# KiCad board Backplane_v2.kicad_pcb (continued)
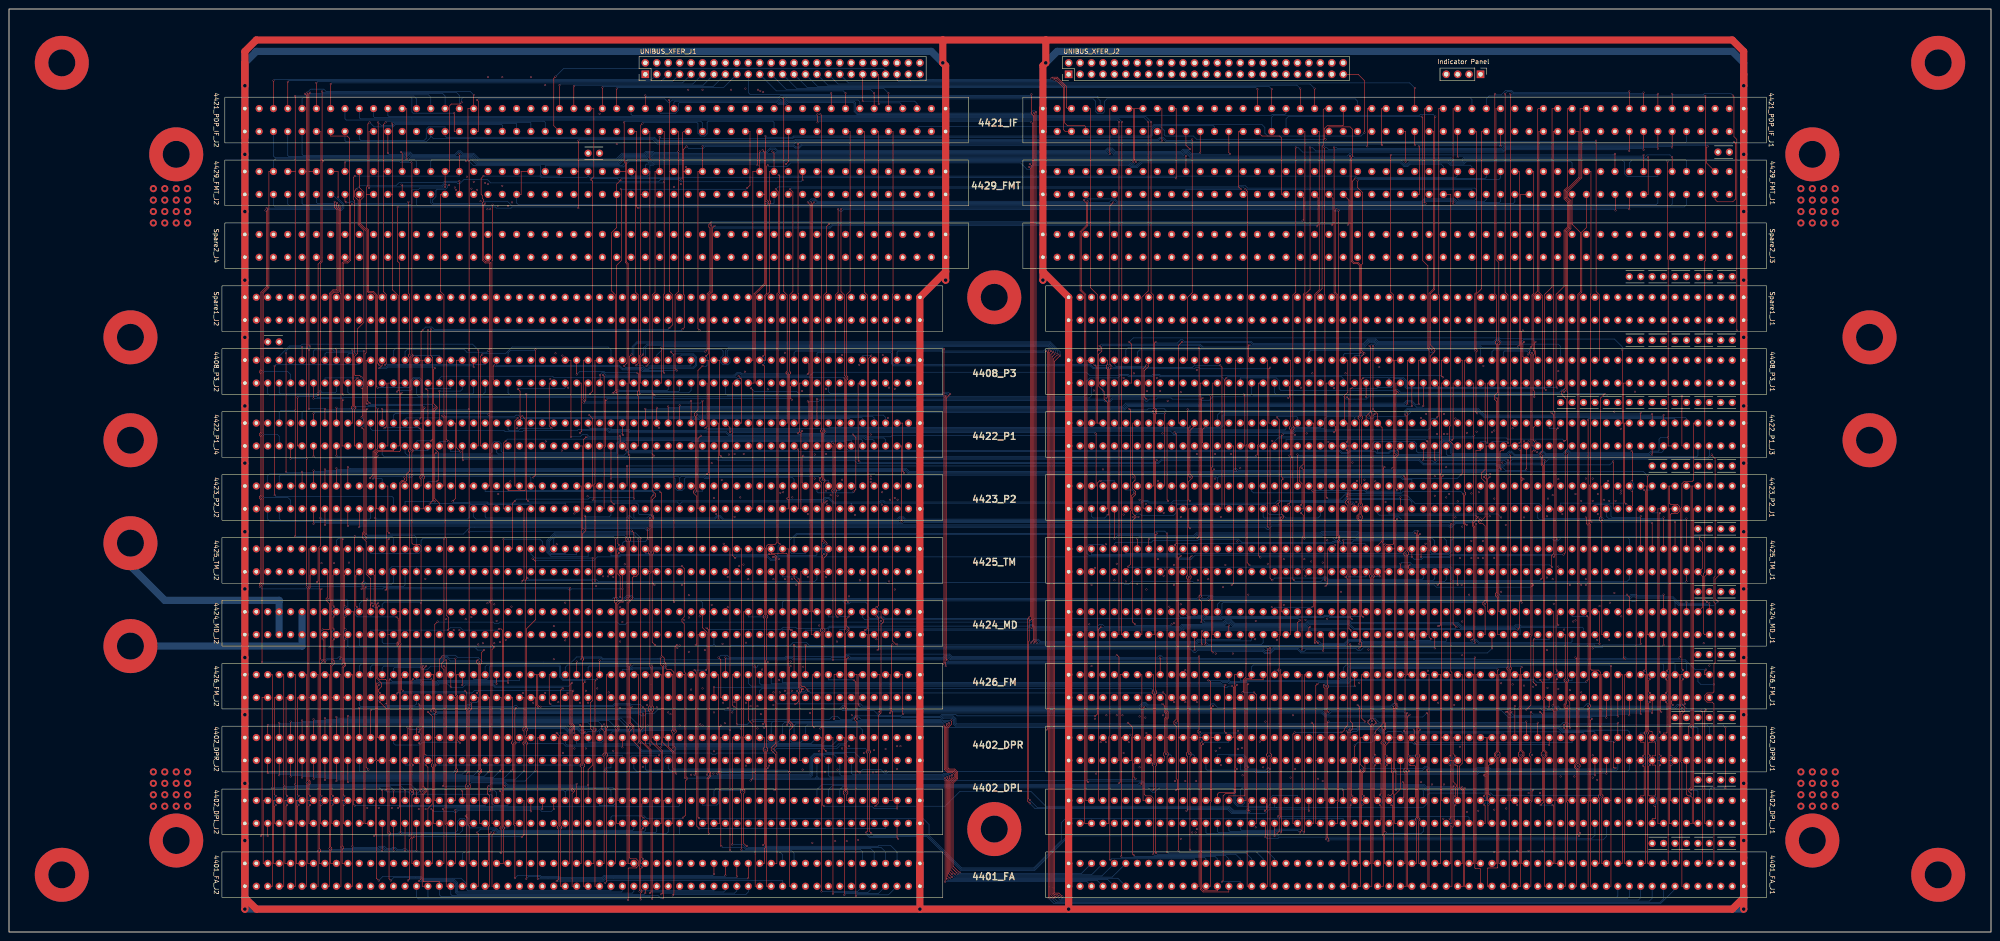
[diagram p0: board, top side]
## Routing (per net, layer and track width the routed paths; a pad name or vN(x,y) marks a point on that pad's centre or on a via; arc(x,y) is an arc through that point) (continued)
DPMBS10*: length 360
  F.SigTop w0.127: v2(180.12,181.61) 180.38,181.36 180.38,168.91 ; 116.88,113.03 116.88,101.47 v2(116.37,100.97) ; 116.88,113.03 4422_P1_J4.69 ; 116.88,113.03 v2(116.88,129.41) ; 180.38,85.09 180.38,99.82 180,100.2 v2(180,100.84) 180.12,100.84 180.38,101.09 180.38,110.87 180.12,111.12 180.12,111.38 180.38,111.63 180.38,168.91 ; 180.38,85.09 180.38,67.44 180.12,67.18 180.12,66.8 180.38,66.55 180.38,45.47 v2(180.12,45.21) ; 180.38,85.09 4425_TM_J2.17 ; 180.38,168.91 4429_FMT_J2.19
  B.Sig.Top w0.127: v2(180.12,181.61) 180.38,181.36 280.2,181.36 280.45,181.61 283.25,181.61 283.5,181.86 4421_PDP_IF_J1.65 ; 4423_P2_J2.43 148.88,100.84 ; v2(180,100.84) 179.61,101.22 155.61,101.22 155.36,100.97 154.6,100.97 154.34,101.22 149.26,101.22 148.88,100.84 ; v2(116.37,100.97) 116.62,101.22 148.5,101.22 148.88,100.84 ; 4408_P3_J2.73 110.78,128.65 111.29,129.16 116.62,129.16 v2(116.88,129.41) ; 4402_DPR_J2.11 189.52,44.83 188.88,45.47 180.38,45.47 v2(180.12,45.21)
DPMBS11*: length 296.9
  F.SigTop w0.127: 4422_P1_J4.70 114.84,107.95 ; 114.84,107.95 114.84,96.14 v2(115.23,95.76) ; 114.84,107.95 v2(114.84,119.51) ; v2(176.19,167) 4429_FMT_J2.21 ; v2(181.39,40.13) 180.88,40.64 180.88,66.55 181.14,66.8 181.14,67.18 180.88,67.44 180.88,80.01 ; 180.88,80.01 4425_TM_J2.18 ; 180.88,80.01 180.88,83.06 181.52,83.69 v2(181.52,83.95) ; v2(181.52,95.76) 180.88,95.12 180.88,87.12 181.52,86.49 v2(181.52,86.23) ; 4421_PDP_IF_J2.51 129.83,182.88 129.83,167.77 v2(129.19,167.13) 129.58,166.75 129.58,120.14 v2(128.94,119.51)
  B.Sig.Top w0.127: v2(181.39,40.13) 181.65,39.88 187.74,39.88 4402_DPR_J2.12 ; v2(129.19,167.13) 129.45,167.39 135.04,167.39 135.8,166.62 144.18,166.62 144.69,167.13 148.63,167.13 149.13,166.62 175.8,166.62 v2(176.19,167) ; v2(115.23,95.76) 115.48,95.5 148.37,95.5 148.88,95 ; 4408_P3_J2.74 110.78,119.76 111.29,119.25 114.59,119.25 ; 148.88,95 4423_P2_J2.44 ; 148.88,95 149.39,95.5 181.26,95.5 v2(181.52,95.76) ; 114.59,119.25 v2(114.84,119.51) 115.1,119.25 ; 114.59,119.25 115.1,119.25 ; v2(181.52,86.23) 181.39,86.23 180.88,85.73 180.88,84.65 181.52,84.01 v2(181.52,83.95) ; 115.1,119.25 128.69,119.25 v2(128.94,119.51)
DPMBS12*: length 475
  F.SigTop w0.127: 91.73,113.03 4422_P1_J4.89 ; 91.73,113.03 v2(91.73,100.97) ; 91.73,113.03 91.73,127 4408_P3_J2.87 v2(93,133.73) ; v2(136.18,41.02) 4402_DPR_J2.53 ; 116.88,82.3 116.88,69.34 114.84,67.31 114.84,45.47 115.1,45.21 115.1,44.83 114.84,44.58 114.84,43.69 114.59,43.43 v2(114.59,41.91) ; 116.88,82.3 v2(116.24,82.93) ; 116.88,82.3 116.88,99.06 4423_P2_J2.69 ; v2(304.84,174.75) 304.71,174.88 304.71,182.88 4421_PDP_IF_J1.51 ; v2(153.96,174.5) 4429_FMT_J2.35 152.94,168.91 152.94,133.99 v2(153.32,133.6)
  B.Sig.Top w0.127: v2(91.73,100.97) 91.98,101.22 115.61,101.22 115.86,100.97 4423_P2_J2.69 ; v2(93,133.73) 93.38,133.35 153.07,133.35 v2(153.32,133.6) ; v2(304.84,174.75) 304.58,175.01 175.93,175.01 175.3,174.37 174.66,174.37 174.28,174.75 154.21,174.75 v2(153.96,174.5) ; v2(116.24,82.93) 116.62,82.55 129.83,82.55 130.59,83.31 135.55,83.31 135.8,83.57 168.44,83.57 169.2,82.8 169.96,82.8 170.72,83.57 179.11,83.57 179.36,83.82 4425_TM_J2.19 ; v2(114.59,41.91) 122.97,41.91 123.61,41.27 135.93,41.27 v2(136.18,41.02)
DPMBS13*: length 476.6
  F.SigTop w0.127: v2(150.4,174.5) 149.77,173.86 149.77,168.91 ; 94.02,121.92 94.02,109.47 ; 94.02,121.92 94.02,127.63 93.63,128.02 v2(93.63,133.86) ; 94.02,121.92 4408_P3_J2.88 ; 94.02,109.47 v2(93.63,109.09) ; 94.02,109.47 94.02,95.76 v2(93.38,95.12) ; 114.84,78.36 114.84,78.87 ; 114.84,78.36 v2(115.1,78.61) 114.84,78.87 ; 114.84,78.36 114.59,78.11 v2(114.59,44.96) ; 114.84,78.87 114.84,93.98 4423_P2_J2.70 ; 149.77,168.91 149.77,141.61 149.9,141.48 149.9,134.24 v2(149.51,133.86) ; 149.77,168.91 4429_FMT_J2.37 ; v2(132.37,45.59) v2(132.37,39.24) ; 4421_PDP_IF_J1.53 301.53,182.88 v2(301.53,174.5)
  B.Sig.Top w0.127: 4423_P2_J2.70 115.86,95 106.33,95 106.08,95.25 102.4,95.25 102.27,95.12 v2(93.38,95.12) ; v2(93.63,133.86) 93.89,133.6 149.26,133.6 v2(149.51,133.86) ; v2(132.37,39.24) 136.18,39.24 4402_DPR_J2.54 ; v2(301.53,174.5) 301.28,174.75 176.06,174.75 175.42,174.12 174.53,174.12 174.15,174.5 154.6,174.5 154.09,173.99 150.91,173.99 v2(150.4,174.5) ; v2(132.37,45.59) 132.37,45.34 132.24,45.21 131.35,45.21 130.59,44.45 130.21,44.45 130.08,44.58 128.56,44.58 128.04,44.06 127.05,44.06 126.15,44.96 125.38,44.96 124.88,44.45 123.99,44.45 123.23,45.21 114.84,45.21 v2(114.59,44.96) ; v2(93.63,109.09) 90.59,109.09 90.46,108.97 4422_P1_J4.90 ; 4425_TM_J2.20 179.36,78.36 178.85,77.85 130.85,77.85 130.34,78.36 115.35,78.36 v2(115.1,78.61)
DPMBS14*: length 435.3
  F.SigTop w0.127: 146.59,168.91 4429_FMT_J2.39 ; 146.59,168.91 146.59,184.66 v2(146.47,184.78) ; 146.59,168.91 146.59,142.24 147.36,141.48 147.36,134.87 v2(146.59,134.11) ; 4423_P2_J2.71 112.3,99.06 112.3,113.54 v2(112.94,114.17) ; 91.48,127 4408_P3_J2.89 ; 91.48,127 91.48,114.3 v2(91.22,114.05) ; 91.48,127 91.48,133.35 v2(91.86,133.73) ; v2(144.56,97.79) 144.82,97.54 144.82,85.09 ; v2(147.61,44.58) 147.61,57.66 146.98,58.29 146.09,58.29 145.83,58.55 145.83,59.69 145.45,60.07 145.45,60.83 144.82,61.47 144.82,85.09 ; 144.82,85.09 4425_TM_J2.47
  B.Sig.Top w0.127: 4421_PDP_IF_J1.55 299.38,184.53 298.87,185.04 243.75,185.04 243.24,184.53 243.24,182.25 242.86,181.86 241.59,181.86 241.21,182.25 241.21,184.53 240.7,185.04 172.63,185.04 172.12,184.53 171.23,184.53 170.72,185.04 146.72,185.04 v2(146.47,184.78) ; v2(112.94,114.17) 91.35,114.17 v2(91.22,114.05) 91.09,114.17 88.17,114.17 87.92,113.92 4422_P1_J4.91 ; v2(91.86,133.73) 92.49,134.37 93.89,134.37 94.4,133.86 146.34,133.86 v2(146.59,134.11) ; 4423_P2_J2.71 113.32,98.3 113.57,98.04 144.31,98.04 v2(144.56,97.79) ; 4402_DPR_J2.55 133.64,44.2 133.89,44.45 140.62,44.45 141.01,44.83 147.36,44.83 v2(147.61,44.58)
DPMBS15*: length 495.1
  F.SigTop w0.127: v2(113.83,77.85) 114.34,78.36 114.34,93.98 4423_P2_J2.72 ; 142.78,119.76 142.78,106.17 ; 142.78,119.76 v2(143.29,119.25) ; 142.78,119.76 142.78,141.48 143.42,142.11 143.42,168.91 4429_FMT_J2.41 v2(144.44,176.53) ; 142.78,106.17 v2(143.17,105.79) ; 142.78,106.17 142.78,98.04 143.55,97.28 143.55,96.77 142.78,96.01 142.78,92.71 143.04,92.46 143.04,91.69 142.78,91.44 142.78,84.71 143.04,84.46 143.04,84.07 142.78,83.82 142.78,80.01 ; 142.78,80.01 4425_TM_J2.48 ; 142.78,80.01 142.78,77.6 ; v2(148.12,35.18) 147.86,35.43 147.86,41.02 147.61,41.27 147.61,43.94 148.12,44.45 148.12,44.7 147.86,44.96 147.86,63.37 v2(148.25,63.75) ; 4421_PDP_IF_J1.57 296.2,179.2 296.07,179.07 292.64,179.07 292.01,178.44 292.01,176.28 v2(292.26,176.02) ; 142.78,77.6 142.78,64.39 v2(143.42,63.75) ; 142.78,77.6 v2(143.29,77.09)
  B.Sig.Top w0.127: v2(113.83,77.85) 114.08,78.11 129.19,78.11 129.96,77.34 143.04,77.34 v2(143.29,77.09) ; v2(143.42,63.75) 143.67,63.5 147.99,63.5 v2(148.25,63.75) ; v2(144.44,176.53) 144.69,176.28 174.03,176.28 174.28,176.53 253.4,176.53 253.78,176.91 253.78,178.18 254.42,178.82 255.69,178.82 256.45,178.05 256.45,177.04 256.7,176.78 262.93,176.78 263.69,176.02 v2(292.26,176.02) ; 4408_P3_J2.90 90.46,119.38 90.84,119 143.04,119 v2(143.29,119.25) ; 4402_DPR_J2.56 133.64,36.58 133.51,36.45 132.5,36.45 132.12,36.07 132.12,35.69 132.37,35.43 147.86,35.43 v2(148.12,35.18) ; v2(143.17,105.79) 142.53,106.43 137.07,106.43 136.56,105.92 88.43,105.92 87.92,106.43 4422_P1_J4.92
DPMBS16*: length 446.1
  F.SigTop w0.127: v2(142.53,49.91) 142.53,58.67 142.28,58.93 142.28,79.63 142.53,79.88 v2(142.53,84.33) 142.53,91.57 142.78,91.82 142.78,92.33 142.53,92.58 142.53,96.52 v2(143.04,97.03) ; 4423_P2_J2.77 106.72,99.06 106.72,114.68 v2(106.46,114.94) 106.72,115.19 106.72,128.9 v2(106.46,129.16) 106.72,129.41 106.72,148.46 106.59,148.59 105.7,148.59 105.06,149.22 105.06,161.93 105.32,162.18 105.32,162.69 105.06,162.94 105.06,163.58 104.81,163.83 104.81,167.39 v2(105.32,167.89) ; 4402_DPR_J2.97 v2(80.3,49.28) ; 4421_PDP_IF_J1.81 259.12,182.88 v2(259.12,167.39)
  B.Sig.Top w0.127: v2(259.12,167.39) 258.86,167.64 128.81,167.64 128.56,167.89 ; 4423_P2_J2.77 105.7,97.79 142.78,97.79 143.04,97.54 v2(143.04,97.03) ; v2(105.32,167.89) 117.89,167.89 118.15,167.64 128.31,167.64 128.56,167.89 ; 128.56,167.89 4429_FMT_J2.51 ; 4422_P1_J4.93 85.38,114.81 85.76,115.19 106.21,115.19 v2(106.46,114.94) ; v2(106.46,129.16) 106.08,128.78 101.64,128.78 101,129.41 88.43,129.41 87.92,128.9 4408_P3_J2.91 ; v2(142.53,84.33) 142.28,84.07 141.26,84.07 4425_TM_J2.49 ; v2(142.53,49.91) 141.89,49.28 101.89,49.28 101.64,49.53 80.55,49.53 v2(80.3,49.28)
DPMBS17*: length 406
  F.SigTop w0.127: v2(126.4,160.78) 126.4,168.91 ; 126.4,168.91 4429_FMT_J2.53 ; 126.4,168.91 v2(126.4,175.77) ; v2(86.27,161.04) 86.27,148.97 86.65,148.59 86.65,121.92 ; 4402_DPR_J2.98 81.32,38.1 v2(81.32,91.95) 81.32,106.43 81.82,106.93 85.38,106.93 4422_P1_J4.94 86.65,107.95 86.65,121.92 ; 4425_TM_J2.50 142.28,80.01 142.28,83.82 142.02,84.07 142.02,84.46 142.28,84.71 v2(142.28,91.95) ; 86.65,121.92 4408_P3_J2.92 ; v2(255.94,175.77) 255.94,182.88 4421_PDP_IF_J1.83
  B.Sig.Top w0.127: v2(255.94,175.77) 255.69,175.51 174.79,175.51 174.28,175.01 143.93,175.01 142.91,176.02 126.65,176.02 v2(126.4,175.77) ; v2(142.28,91.95) 142.02,91.69 138.59,91.69 137.83,92.46 137.58,92.46 137.07,91.95 105.95,91.95 105.7,92.2 4423_P2_J2.78 105.7,95 102.52,95 102.14,94.62 102.14,92.08 101.76,91.69 81.57,91.69 v2(81.32,91.95) ; v2(126.4,160.78) 126.15,161.04 111.67,161.04 111.42,160.78 108.24,160.78 107.99,161.04 v2(86.27,161.04)
DPMBS18*: length 403.6
  F.SigTop w0.127: v2(138.21,89.15) 138.72,88.65 4425_TM_J2.51 ; 4421_PDP_IF_J1.85 249.85,182.88 249.85,171.45 v2(250.23,171.07) ; v2(102.14,171.2) v2(102.14,129.29) v2(102.14,116.2) 102.14,99.06 ; v2(102.14,49.78) v2(102.14,88.9) 102.14,99.06 ; 102.14,99.06 4423_P2_J2.79 ; 4422_P1_J4.95 v2(82.84,116.2) ; 4402_DPR_J2.99 v2(77.76,49.78)
  B.Sig.Top w0.127: v2(82.84,116.2) 83.09,115.95 101.89,115.95 v2(102.14,116.2) ; 4408_P3_J2.93 85.38,129.16 85.89,129.67 101.76,129.67 v2(102.14,129.29) ; v2(138.21,89.15) 137.96,88.9 v2(102.14,88.9) ; v2(102.14,171.2) 103.16,170.18 118.02,170.18 118.02,168.15 118.27,167.89 122.21,167.89 4429_FMT_J2.55 122.21,169.93 136.43,169.93 137.7,171.2 141.64,171.2 142.02,170.81 142.78,170.81 143.04,171.07 248.96,171.07 249.46,170.56 249.72,170.56 v2(250.23,171.07) ; v2(77.76,49.78) v2(102.14,49.78)
DPMBS19*: length 456.1
  F.SigTop w0.127: 137.7,80.01 137.7,74.55 v2(137.96,74.29) ; 137.7,80.01 4425_TM_J2.52 ; 137.7,80.01 137.7,86.74 137.96,87 137.96,87.5 137.7,87.76 v2(137.7,91.95) v2(137.7,105.92) 137.45,106.17 137.45,148.46 137.07,148.84 v2(137.07,171.2) ; v2(79.54,74.04) 79.54,73.91 79.28,73.66 79.28,36.58 v2(79.79,36.07) ; v2(249.59,171.07) 249.59,182.88 4421_PDP_IF_J1.87 ; 4408_P3_J2.94 84.11,121.92 84.11,107.95 4422_P1_J4.96
  B.Sig.Top w0.127: 4402_DPR_J2.100 77.76,35.81 78.01,35.56 79.28,35.56 v2(79.79,36.07) ; 4422_P1_J4.96 82.84,106.04 83.22,105.66 137.32,105.66 137.58,105.92 v2(137.7,105.92) ; v2(79.54,74.04) 79.66,73.91 133.89,73.91 134.27,74.29 135.04,74.29 135.42,73.91 136.69,73.91 137.07,74.29 v2(137.96,74.29) ; v2(249.59,171.07) 249.34,171.32 142.91,171.32 142.66,171.07 142.15,171.07 141.77,171.45 137.32,171.45 v2(137.07,171.2) 136.05,170.18 119.04,170.18 119.04,168.91 ; v2(137.7,91.95) 137.45,91.69 103.67,91.69 103.16,92.2 4423_P2_J2.80
DPMBS20*: length 412.3
  F.SigTop w0.127: v2(136.31,73.41) 136.18,73.28 135.67,73.28 135.16,72.77 135.16,45.97 135.42,45.72 135.42,44.96 135.16,44.7 135.16,29.21 4402_DPL_J2.53 ; v2(76.49,116.46) 76.49,128.27 v2(76.74,128.52) 76.74,162.43 76.49,162.69 76.49,167.64 v2(76.74,167.89) ; v2(244.38,172.85) 244.38,182.88 4421_PDP_IF_J1.89 ; v2(80.81,100.71) 81.06,100.97 81.06,106.55 81.82,107.31 v2(81.82,116.2) ; 4423_P2_J2.95 84.11,99.06 84.11,88.9 v2(84.36,88.65) ; 4429_FMT_J2.69 v2(99.99,172.72) ; v2(141.77,89.66) v2(141.77,87.25) ; 4425_TM_J2.53 134.91,85.09 v2(134.91,73.79) ; 4422_P1_J4.103 v2(72.68,116.46)
  B.Sig.Top w0.127: v2(134.91,73.79) 135.04,73.79 135.42,73.41 v2(136.31,73.41) ; v2(72.68,116.46) 72.93,116.2 76.24,116.2 v2(76.49,116.46) 76.74,116.71 81.32,116.71 v2(81.82,116.2) ; 4408_P3_J2.101 75.22,128.27 75.47,128.52 v2(76.74,128.52) ; v2(80.81,100.71) 82.71,100.71 82.84,100.58 4423_P2_J2.95 ; v2(141.77,87.25) 141.26,86.74 136.56,86.74 136.18,86.36 4425_TM_J2.53 ; v2(84.36,88.65) 84.62,88.39 100.87,88.39 102.4,89.92 141.51,89.92 v2(141.77,89.66) ; v2(76.74,167.89) 99.99,167.89 4429_FMT_J2.69 ; v2(99.99,172.72) 100.24,172.47 102.91,172.47 104.18,171.2 135.04,171.2 136.31,172.47 141.26,172.47 141.64,172.85 142.78,172.85 143.04,172.59 244.13,172.59 v2(244.38,172.85)
DPMBS21*: length 421.6
  F.SigTop w0.127: v2(96.81,165.48) 4429_FMT_J2.71 97.83,168.91 97.83,183.51 98.21,183.9 100.11,183.9 v2(100.49,184.28) ; 4402_DPL_J2.54 134.91,24.13 134.91,44.96 135.16,45.21 135.16,45.59 134.91,45.85 134.91,73.15 135.35,73.6 135.86,73.6 136.18,73.91 v2(136.18,76.2) 4425_TM_J2.54 ; 4408_P3_J2.102 74.2,121.92 74.2,148.46 74.33,148.59 75.22,148.59 75.85,149.22 75.85,161.42 v2(76.11,161.67) ; v2(83.6,75.95) 83.86,76.2 83.86,93.98 4423_P2_J2.96 81.57,93.98 81.57,105.54 v2(81.82,105.79) 81.57,106.04 81.57,106.3 81.95,106.68 86.65,106.68 86.9,106.93 86.9,119.51 v2(87.16,119.76) ; 4422_P1_J4.104 v2(72.68,105.79)
  B.Sig.Top w0.127: 4421_PDP_IF_J1.91 242.23,184.66 241.59,185.29 172.5,185.29 171.99,184.78 171.36,184.78 170.85,185.29 100.75,185.29 100.49,185.04 v2(100.49,184.28) ; v2(72.68,105.79) 72.93,105.54 81.57,105.54 v2(81.82,105.79) ; v2(87.16,119.76) 86.9,119.51 75.6,119.51 75.22,119.89 4408_P3_J2.102 ; v2(83.6,75.95) 83.86,76.2 124.12,76.2 124.37,75.95 124.62,75.95 124.88,76.2 v2(136.18,76.2) ; v2(76.11,161.67) 76.24,161.54 89.19,161.54 89.44,161.8 89.44,164.72 89.57,164.85 90.84,164.85 91.22,165.23 96.56,165.23 v2(96.81,165.48)
DPMBS22*: length 305.2
  F.SigTop w0.127: 4425_TM_J2.89 89.19,85.09 89.19,31.37 v2(89.44,31.12) ; v2(101.51,171.2) 101.89,171.58 101.89,182.88 4421_PDP_IF_J2.67 v2(103.16,185.93) ; v2(66.58,116.2) v2(66.58,129.29) 66.33,129.54 66.33,186.31 v2(66.2,186.44) ; 4408_P3_J2.103 v2(72.68,129.54) ; 79.28,99.06 79.28,115.95 v2(79.54,116.2) ; 79.28,99.06 v2(79.28,88.39) ; 79.28,99.06 4423_P2_J2.97 ; 4422_P1_J4.105 v2(70.14,116.2)
  B.Sig.Top w0.127: v2(66.2,186.44) 66.97,187.2 69.89,187.2 70.39,186.69 102.4,186.69 v2(103.16,185.93) ; v2(66.58,116.2) v2(70.14,116.2) 70.39,115.95 79.28,115.95 v2(79.54,116.2) ; v2(66.58,129.29) 66.84,129.54 v2(72.68,129.54) ; v2(79.28,88.39) 79.54,88.14 89.95,88.14 90.46,87.63 4425_TM_J2.89 ; v2(101.51,171.2) 101.25,171.45 93.89,171.45 93.63,171.2 4429_FMT_J2.73 ; 4402_DPL_J2.55 133.64,31.37 133.13,31.88 91.73,31.88 90.71,30.86 89.7,30.86 v2(89.44,31.12)
DPMBS23*: length 347.6
  F.SigTop w0.127: v2(68.36,77.72) 68.62,77.98 68.62,85.22 69.12,85.73 v2(69.12,91.95) 69.12,107.95 ; 4422_P1_J4.106 69.12,107.95 ; 69.12,107.95 v2(69.12,120.14) 69.12,148.46 69.5,148.84 69.5,170.94 v2(69.76,171.2) 69.5,171.45 v2(69.5,186.69) ; v2(149.64,25.4) 150.15,25.91 150.15,33.53 150.53,33.91 150.53,34.29 150.28,34.54 150.28,57.4 149.9,57.78 149.9,68.45 149.39,68.96 149.39,69.47 149.9,69.98 149.9,80.77 v2(149.39,81.28)
  B.Sig.Top w0.127: v2(69.12,91.95) 69.38,91.69 80.05,91.69 80.3,91.95 4423_P2_J2.98 ; 4408_P3_J2.104 72.68,120.01 72.43,119.76 69.5,119.76 v2(69.12,120.14) ; 90.46,81.15 85,81.15 84.36,80.52 84.36,77.72 84.11,77.47 79.28,77.47 79.03,77.72 78.65,77.72 78.4,77.47 68.62,77.47 v2(68.36,77.72) ; 90.46,81.15 149.26,81.15 v2(149.39,81.28) ; 90.46,81.15 4425_TM_J2.90 ; v2(69.5,186.69) 69.76,186.44 99.35,186.44 99.99,185.8 4421_PDP_IF_J2.69 ; 4402_DPL_J2.56 133.64,25.53 133.89,25.78 141.01,25.78 141.64,25.15 149.39,25.15 v2(149.64,25.4) ; 4429_FMT_J2.75 90.46,171.07 90.08,171.45 88.94,171.45 88.68,171.2 87.16,171.2 86.9,171.45 70.01,171.45 v2(69.76,171.2)
DPMBS24*: length 257.1
  F.SigTop w0.127: 66.58,168.91 4429_FMT_J2.89 ; 66.58,168.91 66.58,130.3 v2(66.84,130.05) ; 66.58,168.91 66.58,186.18 v2(66.84,186.44) ; v2(88.94,101.73) 88.94,85.09 ; 88.94,85.09 4425_TM_J2.91 ; 88.94,85.09 v2(88.94,21.34) ; v2(81.06,21.34) 81.32,21.59 81.32,29.21 4402_DPL_J2.97 ; v2(65.06,129.92) 4408_P3_J2.109 ; v2(61.5,128.52) 61.5,113.03 ; 61.5,113.03 4422_P1_J4.111 ; 61.5,113.03 v2(61.5,102.24) ; v2(65.06,102.24) 4423_P2_J2.109
  B.Sig.Top w0.127: v2(61.5,102.24) 61.76,101.98 64.81,101.98 v2(65.06,102.24) 65.31,101.98 88.68,101.98 v2(88.94,101.73) ; v2(61.5,128.52) 61.5,129.03 62.39,129.92 v2(65.06,129.92) 66.71,129.92 v2(66.84,130.05) ; v2(88.94,21.34) v2(81.06,21.34) ; v2(66.84,186.44) 67.09,186.18 96.3,186.18 96.81,185.67 4421_PDP_IF_J2.71
DPMBS25*: length 228.7
  F.SigTop w0.127: 66.08,93.98 4423_P2_J2.110 ; 66.08,93.98 v2(66.08,76.71) ; 66.08,93.98 v2(66.08,105.16) 66.08,121.92 ; v2(79.28,76.71) 79.03,76.45 79.03,24.13 4402_DPL_J2.98 ; 66.08,168.91 4429_FMT_J2.91 ; 66.08,168.91 66.08,121.92 ; 66.08,168.91 66.08,185.8 v2(65.69,186.18) ; 66.08,121.92 4408_P3_J2.110 ; v2(62.52,105.16) 4422_P1_J4.112
  B.Sig.Top w0.127: v2(65.69,186.18) 65.95,185.93 93.13,185.93 93.63,185.42 4421_PDP_IF_J2.73 ; v2(66.08,105.16) v2(62.52,105.16) ; 4425_TM_J2.92 87.92,77.09 87.54,76.71 v2(79.28,76.71) v2(66.08,76.71)
DPMBS26*: length 221.1
  F.SigTop w0.127: 63.54,99.06 v2(63.54,115.82) 63.54,127 ; 63.54,99.06 4423_P2_J2.111 ; 63.54,99.06 v2(63.54,87.88) ; 4402_DPL_J2.99 76.74,29.21 v2(76.74,87.88) ; 63.54,168.91 4429_FMT_J2.93 ; 63.54,168.91 63.54,127 ; 63.54,168.91 v2(63.54,185.67) ; 63.54,127 4408_P3_J2.111
  B.Sig.Top w0.127: 4425_TM_J2.93 85.38,87.5 85,87.88 v2(76.74,87.88) v2(63.54,87.88) ; v2(63.54,115.82) 60.36,115.82 59.98,115.44 4422_P1_J4.113 ; 4421_PDP_IF_J2.75 90.46,185.04 89.82,185.67 v2(63.54,185.67)
DPMBS27*: length 245.5
  F.SigTop w0.127: 4429_FMT_J2.95 57.69,168.91 57.69,143.13 56.42,141.86 v2(56.42,124.46) v2(56.42,110.49) v2(56.42,96.52) v2(56.42,77.22) ; v2(78.78,77.22) 78.78,24.13 4402_DPL_J2.100 ; v2(88.3,171.7) 88.3,182.88 4421_PDP_IF_J2.77
  B.Sig.Top w0.127: 4429_FMT_J2.95 58.71,171.32 59.09,171.7 v2(88.3,171.7) ; 4425_TM_J2.94 85.38,77.72 84.87,77.22 v2(78.78,77.22) v2(56.42,77.22) ; 4408_P3_J2.112 62.52,123.82 61.88,124.46 v2(56.42,124.46) ; 4422_P1_J4.114 59.98,110.11 59.6,110.49 v2(56.42,110.49) ; 4423_P2_J2.112 62.52,95.88 61.88,96.52 v2(56.42,96.52)
EX2PNL*: length 125.3
  F.SigTop w0.127: 4408_P3_J1.86 277.4,121.92 277.4,108.33 277.15,108.08 277.15,106.04 v2(276.9,105.79) ; 4423_P2_J2.21 176.06,99.82 176.06,105.54 v2(176.31,105.79)
  B.Sig.Top w0.127: v2(276.9,105.79) 276.64,105.54 176.57,105.54 v2(176.31,105.79)
EXIA: length 83.7
  F.Sig.In w0.127: v2(108.62,97.28) 109.26,97.92 109.26,113.03 4422_P1_J4.75
  B.Sig.In w0.127: 4423_P2_J2.25 172.5,98.3 172.5,97.54 171.99,97.03 156.12,97.03 155.74,96.65 151.42,96.65 151.04,97.03 144.05,97.03 143.42,97.66 142.91,97.66 142.53,97.28 v2(108.62,97.28)
EXIB: length 86.7
  F.SigTop w0.127: v2(175.17,107.19) 175.3,107.06 175.3,93.98 4423_P2_J2.24
  B.Sig.Top w0.127: 4422_P1_J4.76 108.24,106.55 108.62,106.17 134.91,106.17 135.16,106.43 135.16,108.46 135.67,108.97 136.69,108.97 137.2,108.46 137.2,107.44 137.7,106.93 174.92,106.93 v2(175.17,107.19)
EXINT: length 33.4
  B.Sig.In w0.127: 4408_P3_J2.100 77.76,119 78.52,118.24 102.4,118.24 103.16,117.47 4422_P1_J4.79
FADD*: length 393.4
  F.SigTop w0.127: 185.46,107.95 v2(185.46,123.06) ; 185.46,107.95 4422_P1_J4.16 ; 185.46,107.95 185.46,50.04 v2(185.2,49.78) ; 4401_FA_J1.12 371.38,10.16 371.38,37.59 371.13,37.85 371.13,48.89 v2(371.38,49.15)
  B.Sig.Top w0.127: 4408_P3_J2.86 95.54,122.94 96.05,123.44 120.69,123.44 120.94,123.19 161.45,123.19 161.71,122.94 162.34,122.94 162.6,123.19 185.33,123.19 v2(185.46,123.06) ; v2(185.2,49.78) 185.46,49.78 185.84,49.4 335.32,49.4 335.82,49.91 341.16,49.91 341.67,49.4 342.17,49.4 342.56,49.78 343.32,49.78 343.44,49.91 343.82,49.91 344.33,49.4 371.13,49.4 v2(371.38,49.15)
FAE02*: length 112.3
  F.SigTop w0.127: 355.64,29.21 4402_DPL_J1.25 ; 355.64,29.21 355.64,10.16 4401_FA_J1.26 ; 355.64,29.21 v2(355.64,59.05)
  B.Sig.Top w0.127: v2(355.64,59.05) 355.38,59.31 296.83,59.31 296.2,58.67 4426_FM_J1.71
FAE03*: length 108.4
  F.SigTop w0.127: 4401_FA_J1.28 351.06,10.16 351.06,29.21 ; 351.06,29.21 4402_DPL_J1.27 ; 351.06,29.21 351.06,46.99 v2(351.45,47.37) ; 4426_FM_J1.73 292.64,57.15 292.64,54.99 292.9,54.74 292.9,54.36 292.64,54.1 292.64,49.15 v2(292.9,48.89)
  B.Sig.Top w0.127: v2(351.45,47.37) 351.19,47.62 332.9,47.62 331.38,49.15 293.15,49.15 v2(292.9,48.89)
FAE04*: length 123.3
  F.SigTop w0.127: 4426_FM_J1.85 278.42,56.01 274.74,56.01 274.61,55.88 274.61,29.21 4402_DPL_J1.89 ; 4401_FA_J1.40 337.86,10.16 337.86,28.83 338.11,29.08 338.11,31.24 v2(338.36,31.5)
  B.Sig.Top w0.127: v2(338.36,31.5) 314.36,31.5 313.85,32 273.72,32 273.34,31.62 4402_DPL_J1.89
FAE05*: length 150.7
  F.SigTop w0.127: v2(335.82,58.8) 335.57,58.55 335.57,40.26 336.08,39.75 336.08,39.24 335.57,38.74 335.57,10.16 4401_FA_J1.42 ; 4426_FM_J1.87 275.88,56.26 274.61,56.26 274.36,56.01 274.36,30.35 274.23,30.23 270.8,30.23 4402_DPL_J1.91
  B.Sig.Top w0.127: 4426_FM_J1.87 275.88,58.93 276.26,59.31 295.18,59.31 295.18,56.51 295.56,56.13 296.83,56.13 297.22,56.51 297.22,58.8 297.47,59.05 335.57,59.05 v2(335.82,58.8)
FAE06*: length 146
  F.SigTop w0.127: 4402_DPL_J1.93 268.26,30.61 268.64,30.99 271.94,30.99 272.07,31.12 272.07,57.15 4426_FM_J1.89 ; 4401_FA_J1.44 333.03,10.16 v2(333.03,58.55)
  B.Sig.Top w0.127: 4426_FM_J1.89 273.34,55.88 296.96,55.88 297.47,56.39 297.47,58.67 297.6,58.8 332.78,58.8 v2(333.03,58.55)
FAE07*: length 147.9
  F.SigTop w0.127: v2(330.49,58.29) 330.49,40 329.98,39.5 329.98,39.24 330.49,38.74 330.49,14.35 330.36,14.22 328.33,14.22 328.2,14.1 328.2,10.16 4401_FA_J1.46 ; 4402_DPL_J1.95 266.74,29.21 266.74,55.63 266.48,55.88 v2(266.23,55.88)
  B.Sig.Top w0.127: v2(330.49,58.29) 330.24,58.55 297.85,58.55 297.72,58.42 297.72,56.26 297.09,55.63 271.18,55.63 270.8,56.01 ; v2(266.23,55.88) 270.67,55.88 270.8,56.01 ; 270.8,56.01 4426_FM_J1.91
FAE08*: length 228.7
  F.SigTop w0.127: v2(255.56,60.96) 4426_FM_J1.103 ; 4401_FA_J1.48 326.68,13.97 326.55,14.1 325.54,14.1 325.41,14.22 v2(325.41,60.96) ; v2(186.22,60.96) 185.96,60.71 185.96,31.5 186.22,31.24 186.22,30.73 185.96,30.48 185.96,29.21 4402_DPL_J2.13
  B.Sig.Top w0.127: v2(325.41,60.96) 325.16,60.71 255.81,60.71 v2(255.56,60.96) 255.31,60.71 209.08,60.71 208.7,61.09 207.81,61.09 207.43,60.71 186.47,60.71 v2(186.22,60.96)
FAE09*: length 192.7
  F.SigTop w0.127: v2(254.04,31.5) 254.04,36.83 253.78,37.08 253.78,37.47 254.04,37.72 254.04,52.83 253.78,53.09 253.78,53.47 254.04,53.72 254.04,57.15 4426_FM_J1.105 ; v2(323.12,32) 323.12,10.16 4401_FA_J1.50
  B.Sig.Top w0.127: 254.8,32.26 v2(254.04,31.5) ; 254.8,32.26 313.98,32.26 314.49,31.75 322.87,31.75 v2(323.12,32) ; 254.8,32.26 185.07,32.26 184.44,31.62 4402_DPL_J2.15
FAE10*: length 192.9
  F.SigTop w0.127: v2(251.24,32.77) 251.5,33.02 251.5,57.15 4426_FM_J1.107 ; v2(322.49,32.26) 322.49,32 322.87,31.62 322.87,10.16 4401_FA_J1.52
  B.Sig.Top w0.127: 4402_DPL_J2.17 181.9,31.62 182.79,32.51 250.99,32.51 v2(251.24,32.77) 251.5,32.77 251.75,32.51 314.11,32.51 314.62,32 322.24,32 v2(322.49,32.26)
FAE11*: length 194.6
  F.SigTop w0.127: 4401_FA_J1.54 320.33,10.16 320.33,23.11 320.58,23.37 320.58,32.26 v2(320.84,32.51) ; v2(246.42,33.02) 246.67,33.27 246.67,57.15 4426_FM_J1.109
  B.Sig.Top w0.127: 4402_DPL_J2.19 179.36,31.62 180.5,32.77 246.16,32.77 v2(246.42,33.02) 246.67,32.77 250.61,32.77 251.12,33.27 251.5,33.27 252,32.77 314.23,32.77 314.74,32.26 320.58,32.26 v2(320.84,32.51)
FAM00*: length 223.2
  F.SigTop w0.127: 4401_FA_J1.66 305.09,10.16 305.09,21.34 304.84,21.59 304.84,41.66 304.58,41.91 304.58,42.16 304.84,42.42 v2(304.84,45.34) ; v2(188.25,47.24) 188.25,57.15 4426_FM_J2.13
  B.Sig.Top w0.127: v2(304.84,45.34) 304.84,45.59 ; 304.84,45.59 304.96,45.72 344.21,45.72 345.1,44.83 359.32,44.83 359.7,44.45 4402_DPR_J1.21 ; 304.84,45.59 304.71,45.72 210.09,45.72 209.71,46.1 209.71,47.12 209.33,47.5 207.43,47.5 206.92,46.99 188.5,46.99 v2(188.25,47.24)
FAM01*: length 228.6
  F.SigTop w0.127: v2(357.16,46.48) 4402_DPR_J1.23 ; 4426_FM_J2.15 183.17,57.15 v2(183.17,47.24) ; 4401_FA_J1.68 302.55,10.16 v2(302.55,46.23)
  B.Sig.Top w0.127: v2(357.16,46.48) 356.91,46.23 346.24,46.23 345.98,46.48 344.97,46.48 344.46,45.97 302.8,45.97 v2(302.55,46.23) 302.3,45.97 210.22,45.97 209.97,46.23 209.97,47.24 209.46,47.75 207.3,47.75 206.79,47.24 189.14,47.24 188.63,47.75 187.87,47.75 187.11,46.99 183.42,46.99 v2(183.17,47.24)
FAM02*: length 234.4
  F.SigTop w0.127: v2(356.4,42.29) 356.14,42.04 356.14,36.58 356.27,36.45 v2(356.65,36.45) ; v2(300.26,36.07) 300.14,36.07 300.01,35.94 300.01,10.16 4401_FA_J1.70 ; v2(187.49,56.01) 188,55.5 188,47.75 187.74,47.5 187.74,47.12 188.25,46.61 188.25,35.81 188.5,35.56 188.76,35.56 v2(188.88,35.43)
  B.Sig.Top w0.127: v2(356.65,36.45) 356.4,36.19 328.97,36.19 328.71,36.45 325.92,36.45 325.66,36.19 315.5,36.19 315,36.7 314.23,36.7 313.85,36.32 300.39,36.32 300.26,36.19 v2(300.26,36.07) 300.14,36.07 299.76,35.69 280.07,35.69 279.82,35.43 276.77,35.43 276.51,35.69 195.24,35.69 194.85,35.31 194.35,35.31 193.58,36.07 189.52,36.07 v2(188.88,35.43) ; v2(187.49,56.01) 181.9,56.01 4426_FM_J2.17 ; 4402_DPR_J1.25 354.62,42.29 v2(356.4,42.29)